# Altium PCB PCB SOM AM625.PcbDoc (part 4 of 6)
Units mm, origin at the board's own origin, x right, y up, seen from the top; angles counter-clockwise.
Board outline 92 x 91 mm, 6 copper layers (Top Layer, Layer 1, Layer 3, Layer 4, Layer 2, Bottom Layer), stack 1.56 mm thick; 479 components, 370 nets, 1722 pads, 744 vias.
Unrouted connection lines stored in the file: 13.
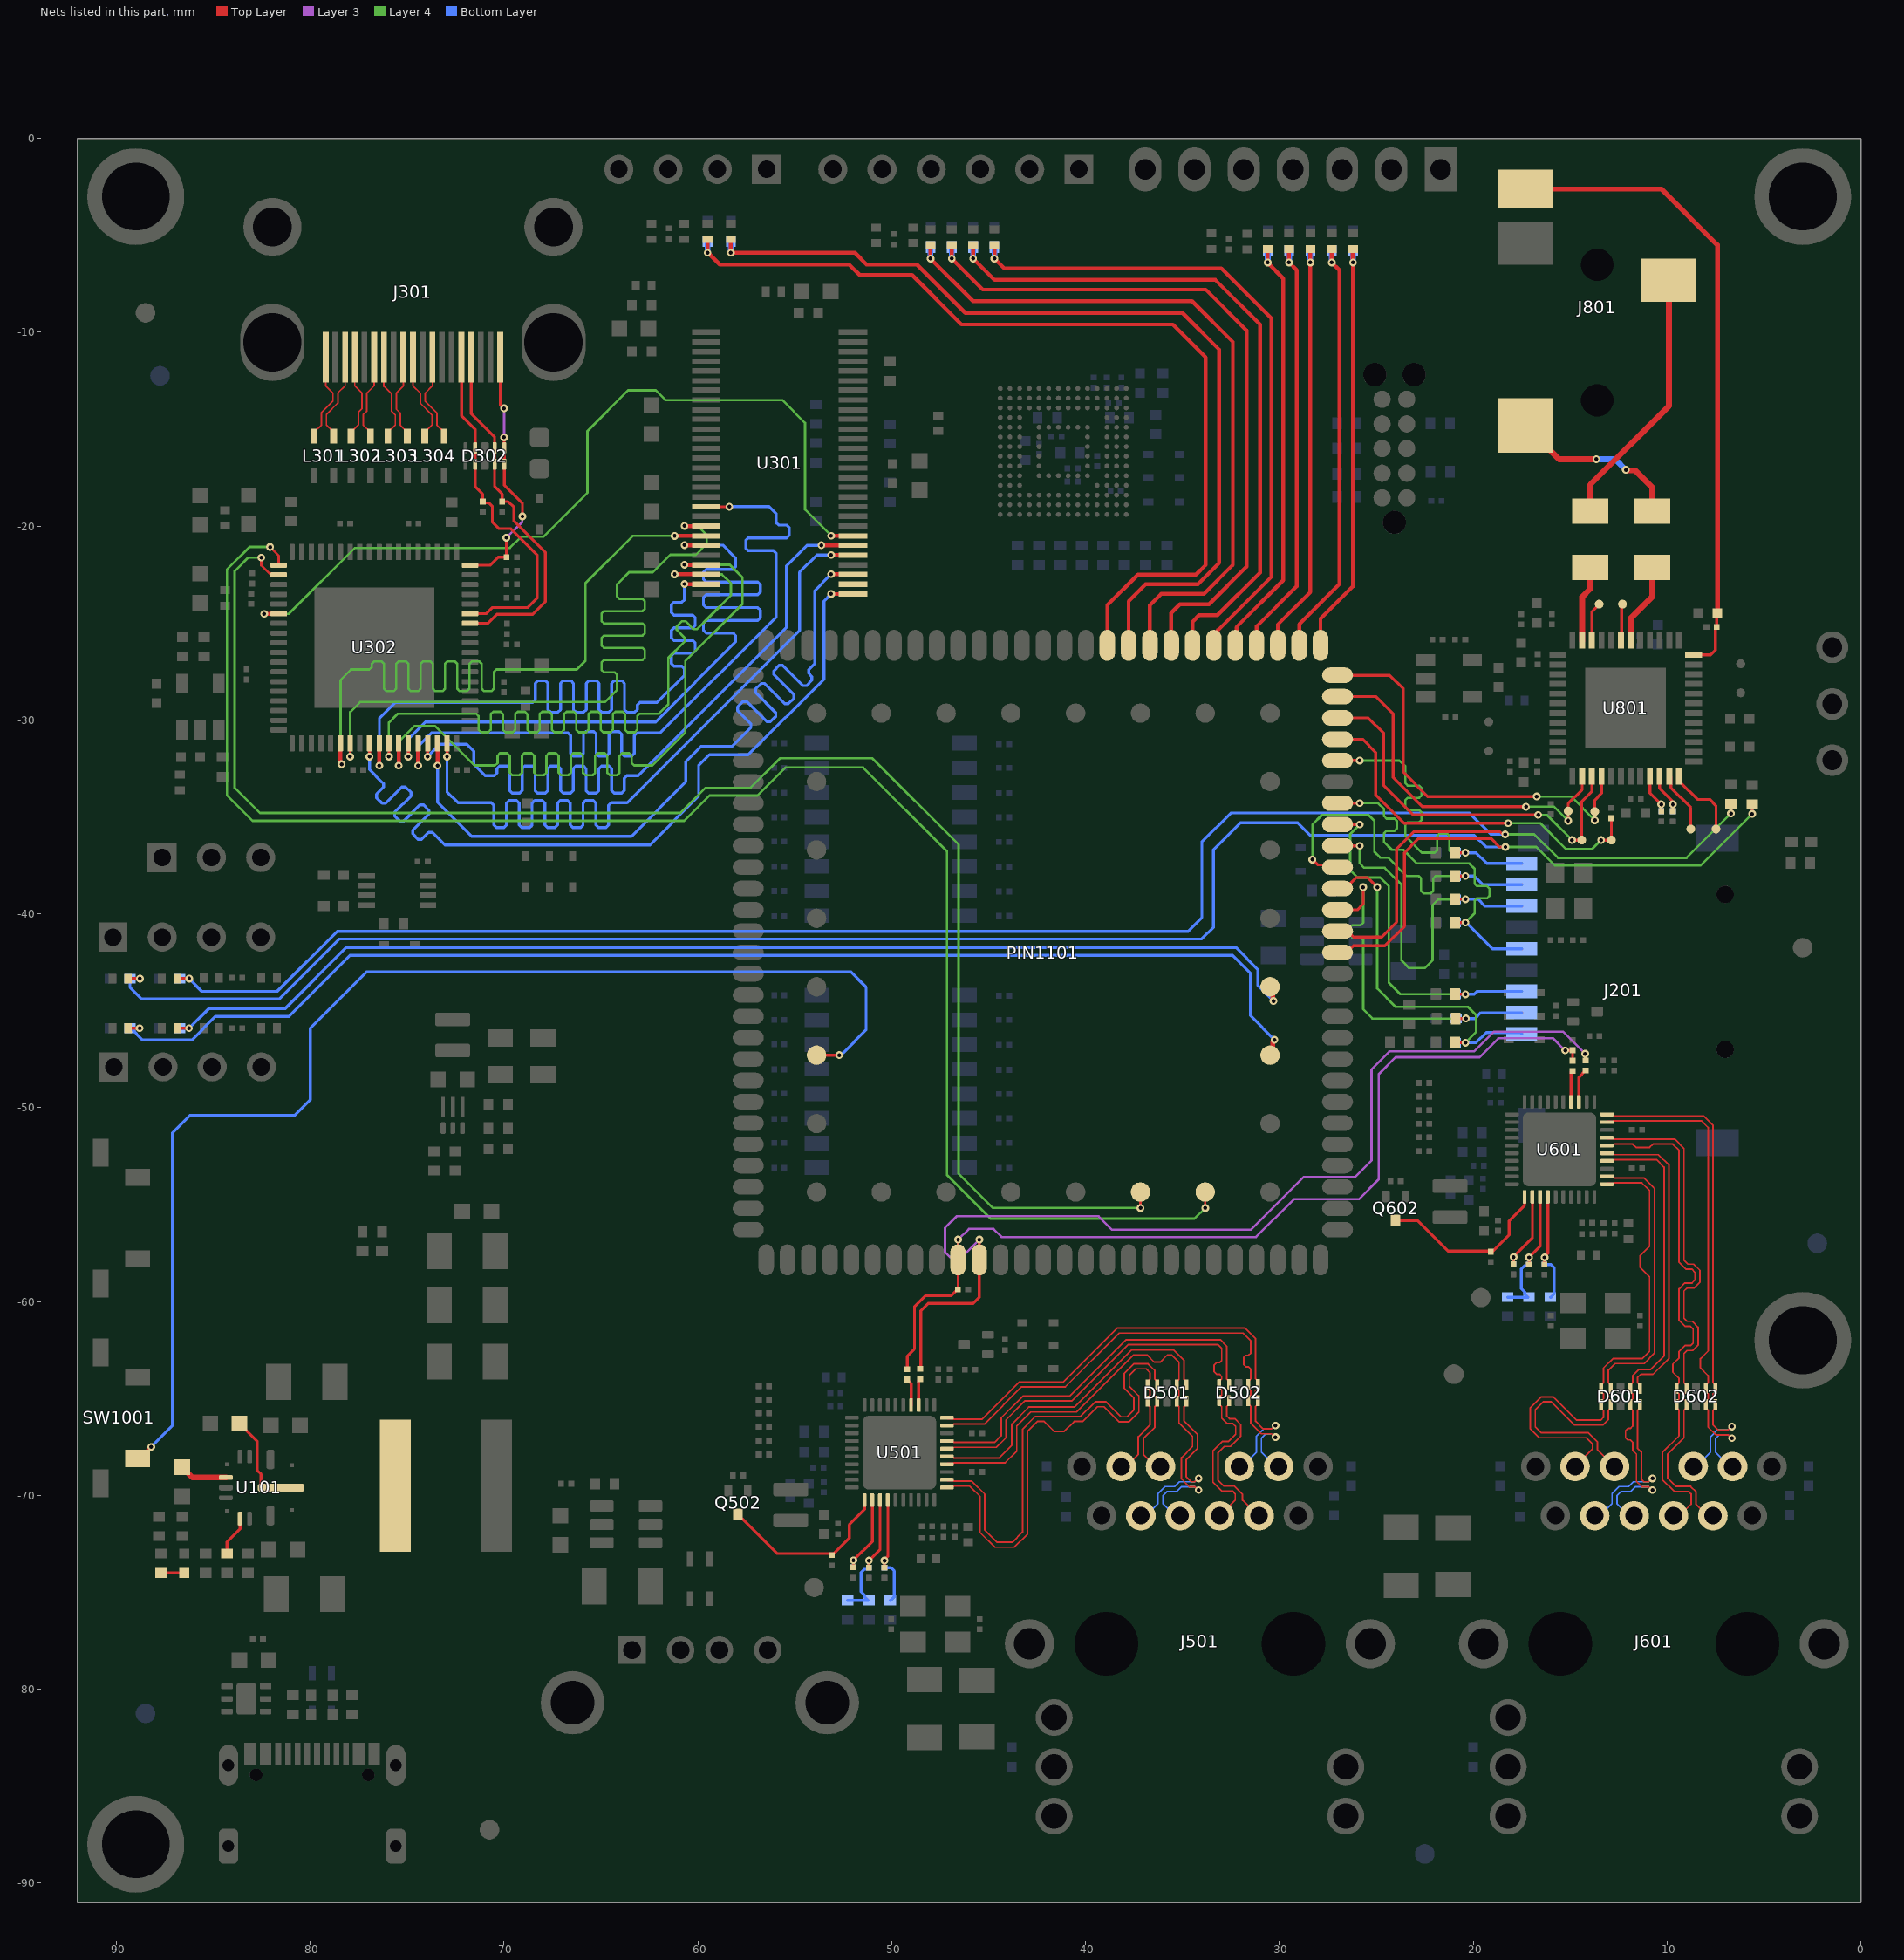
[diagram p8: the nets of this part, all layers, seen from the top]

## Via types
v1: diameter 0.4, hole 0.2, Top Layer to Bottom Layer, tented both sides, 699 vias
v2: diameter 0.8, hole 0.4, Top Layer to Bottom Layer, tented both sides, 41 vias
v3: diameter 0.6, hole 0.3, Top Layer to Bottom Layer, tented both sides, 4 vias

## Nets (pads, with @x,y where several pads share a name; then routed paths per layer and width w, separated by ;. In a path a pad name is that pad's centre, name@x,y a point inside that pad or via, vN(x,y) a via of type N, cw(c..) or ccw(c..) an arc to the next point about the centre after c; other vN are vias at no path point) (continued)
HDMI_D15: U301.47 U302.32 | length 43
  Top Layer w0.15: U301.47@-59.569,-19.007 -59.566,-19.003 -58.378,-19.003 v1(-58.375,-19)
  Top Layer w0.2: U302.32@-74.439,-31.204 -74.437,-31.207 -74.437,-32.352 v1(-74.434,-32.355)
  Bottom Layer w0.15: v1(-74.434,-32.355) -74.434,-31.359 -73.75,-30.675 -67.428,-30.675 -66.695,-30.675 -66.563,-30.807 -66.563,-31.737 -66.431,-31.868 -66.037,-31.868 -65.905,-31.737 -65.905,-30.738 -65.773,-30.606 -65.379,-30.606 -65.247,-30.738 -65.247,-31.737 -65.115,-31.868 -64.721,-31.868 -64.589,-31.737 -64.589,-30.738 -64.457,-30.606 -64.063,-30.606 -63.931,-30.738 -63.931,-31.737 -63.799,-31.868 -63.405,-31.868 -63.273,-31.737 -63.273,-30.807 -63.141,-30.675 -62.3,-30.675 -61.95,-30.675 -55.975,-24.7 -55.975,-21.471 -55.975,-21.396 -56.107,-21.264 -57.402,-21.264 -57.534,-21.132 -57.534,-20.738 -57.402,-20.606 -55.419,-20.606 -55.287,-20.474 -55.287,-20.08 -55.419,-19.948 -55.843,-19.948 -55.975,-19.816 -55.975,-19.65 -55.975,-19.35 -56.325,-19 v1(-58.375,-19)
HDMI_D16: U301.49 U302.25 | length 43.5
  Top Layer w0.15: v1(-77.944,-31.889) -77.939,-31.884 U302.25@-77.939,-31.204
  Top Layer w0.2: v1(-60.693,-19.99) -60.685,-19.997 U301.49@-59.569,-19.997
  Layer 4 w0.122: v1(-77.944,-31.889) -77.944,-29.594 -77.425,-29.075 -64.8,-29.075 -64.175,-28.45 -64.175,-27.726 -64.175,-27.665 -64.301,-27.539 -64.844,-27.539 -64.97,-27.413 -64.97,-27.035 -64.844,-26.909 -62.863,-26.909 -62.738,-26.783 -62.738,-26.405 -62.863,-26.279 -64.844,-26.279 -64.97,-26.153 -64.97,-25.776 -64.844,-25.65 -62.863,-25.65 -62.738,-25.524 -62.738,-25.146 -62.863,-25.02 -64.844,-25.02 -64.97,-24.894 -64.97,-24.516 -64.844,-24.39 -62.863,-24.39 -62.738,-24.264 -62.738,-23.886 -62.863,-23.76 -64.049,-23.76 -64.175,-23.634 -64.175,-23.425 -64.175,-23 -63.55,-22.375 -62.325,-22.375 -61.425,-21.475 -60.1,-21.475 -59.55,-20.925 -59.55,-20.45 -60.01,-19.99 v1(-60.693,-19.99)
HDMI_D17: U301.50 U302.24 | length 43.5
  Top Layer w0.2: U302.24@-78.439,-31.204 -78.439,-32.17 -78.384,-32.225 v1(-78.384,-32.279) ; v1(-61.199,-20.506) -61.198,-20.505 U301.50@-59.569,-20.505 U301.50@-59.568,-20.504
  Layer 4 w0.122: v1(-78.384,-32.279) -78.434,-32.23 -78.434,-27.934 -77.9,-27.4 -77.011,-27.4 -76.95,-27.4 -76.824,-27.274 -76.824,-27.105 -76.698,-26.979 -76.32,-26.979 -76.194,-27.105 -76.194,-28.386 -76.068,-28.512 -75.69,-28.512 -75.564,-28.386 -75.564,-27.105 -75.438,-26.979 -75.06,-26.979 -74.934,-27.105 -74.934,-28.386 -74.808,-28.512 -74.43,-28.512 -74.304,-28.386 -74.304,-27.105 -74.178,-26.979 -73.8,-26.979 -73.674,-27.105 -73.674,-28.386 -73.548,-28.512 -73.17,-28.512 -73.044,-28.386 -73.044,-27.105 -72.918,-26.979 -72.54,-26.979 -72.414,-27.105 -72.414,-28.386 -72.288,-28.512 -71.91,-28.512 -71.784,-28.386 -71.784,-27.105 -71.658,-26.979 -71.28,-26.979 -71.154,-27.105 -71.154,-28.386 -71.028,-28.512 -70.65,-28.512 -70.525,-28.386 -70.525,-27.526 -70.399,-27.4 -70.07,-27.4 -66.25,-27.4 -65.8,-26.95 -65.8,-22.95 -63.356,-20.506 v1(-61.199,-20.506)
HDMI_D18: U301.51 U302.31 | length 43.1
  Top Layer w0.15: v1(-74.944,-31.889) -74.939,-31.884 U302.31@-74.939,-31.204 U302.31@-74.934,-31.199
  Top Layer w0.2: v1(-60.693,-20.98) -60.685,-20.988 U301.51@-59.569,-20.988 U301.51@-59.562,-20.995
  Bottom Layer w0.15: v1(-74.944,-31.889) -74.944,-30.994 -74.05,-30.1 -62.175,-30.1 -58.05,-25.975 -58.05,-25.725 -58.05,-25.65 -58.182,-25.518 -59.579,-25.518 -59.711,-25.387 -59.711,-24.992 -59.579,-24.86 -56.914,-24.86 -56.783,-24.729 -56.783,-24.334 -56.914,-24.202 -59.579,-24.202 -59.711,-24.071 -59.711,-23.676 -59.579,-23.544 -56.914,-23.544 -56.783,-23.413 -56.783,-23.018 -56.914,-22.886 -59.579,-22.886 -59.711,-22.755 -59.711,-22.36 -59.579,-22.228 -58.182,-22.228 -58.05,-22.097 -58.05,-21.95 -58.05,-21.65 -58.719,-20.98 v1(-60.693,-20.98)
HDMI_D19: U301.53 U302.30 | length 43.5
  Top Layer w0.2: U302.30@-75.439,-31.204 -75.437,-31.207 -75.437,-32.352 v1(-75.434,-32.355) ; v1(-60.693,-21.996) -60.685,-22.004 U301.53@-59.569,-22.004 U301.53@-59.562,-22.011
  Layer 4 w0.122: v1(-75.434,-32.355) -75.434,-31.134 -74.625,-30.325 -73.55,-30.325 -71.525,-32.35 -70.525,-32.35 -70.464,-32.35 -70.338,-32.224 -70.338,-31.843 -70.212,-31.717 -69.834,-31.717 -69.708,-31.843 -69.708,-32.724 -69.582,-32.85 -69.204,-32.85 -69.078,-32.724 -69.078,-31.843 -68.952,-31.717 -68.574,-31.717 -68.448,-31.843 -68.448,-32.724 -68.322,-32.85 -67.944,-32.85 -67.818,-32.724 -67.818,-31.843 -67.692,-31.717 -67.314,-31.717 -67.188,-31.843 -67.188,-32.724 -67.062,-32.85 -66.685,-32.85 -66.559,-32.724 -66.559,-31.843 -66.433,-31.717 -66.055,-31.717 -65.929,-31.843 -65.929,-32.724 -65.803,-32.85 -65.425,-32.85 -65.299,-32.724 -65.299,-31.843 -65.173,-31.717 -64.795,-31.717 -64.669,-31.843 -64.669,-32.724 -64.543,-32.85 -64.165,-32.85 -64.039,-32.724 -64.039,-31.843 -63.913,-31.717 -63.535,-31.717 -63.409,-31.843 -63.409,-32.224 -63.283,-32.35 -62.925,-32.35 -62.35,-32.35 -60.65,-30.65 -60.65,-26.975 -57.7,-24.025 -57.7,-22.65 -58.354,-21.996 v1(-60.693,-21.996)
HDMI_D20: U301.54 U302.29 | length 43.5
  Top Layer w0.15: v1(-75.944,-31.889) -75.939,-31.884 U302.29@-75.939,-31.204
  Top Layer w0.2: v1(-61.199,-22.488) -61.198,-22.486 U301.54@-59.569,-22.486
  Layer 4 w0.122: v1(-75.944,-31.889) -75.944,-30.144 -75.475,-29.675 -72.135,-29.675 -71.444,-29.675 -71.318,-29.801 -71.318,-30.507 -71.192,-30.633 -70.814,-30.633 -70.688,-30.507 -70.688,-29.702 -70.562,-29.576 -70.184,-29.576 -70.058,-29.702 -70.058,-30.507 -69.932,-30.633 -69.554,-30.633 -69.428,-30.507 -69.428,-29.702 -69.302,-29.576 -68.924,-29.576 -68.798,-29.702 -68.798,-30.507 -68.672,-30.633 -68.295,-30.633 -68.169,-30.507 -68.169,-29.702 -68.043,-29.576 -67.665,-29.576 -67.539,-29.702 -67.539,-30.507 -67.413,-30.633 -67.035,-30.633 -66.909,-30.507 -66.909,-29.702 -66.783,-29.576 -66.405,-29.576 -66.279,-29.702 -66.279,-30.507 -66.153,-30.633 -65.775,-30.633 -65.649,-30.507 -65.649,-29.702 -65.523,-29.576 -65.145,-29.576 -65.019,-29.702 -65.019,-30.507 -64.893,-30.633 -64.515,-30.633 -64.389,-30.507 -64.389,-29.702 -64.263,-29.576 -63.885,-29.576 -63.759,-29.702 -63.759,-30.507 -63.633,-30.633 -63.255,-30.633 -63.129,-30.507 -63.129,-29.801 -63.003,-29.675 -62.111,-29.675 -62,-29.675 -61.525,-29.2 -61.525,-26.8 -60.712,-25.987 -60.669,-25.944 -60.669,-25.766 -61.082,-25.353 -61.082,-25.175 -60.815,-24.908 -60.637,-24.908 -60.224,-25.321 -60.046,-25.321 -59.387,-24.662 -58.3,-23.575 -58.3,-22.95 -58.762,-22.488 v1(-61.199,-22.488)
HDMI_D21: U301.55 U302.28 | length 43
  Top Layer w0.2: U302.28@-76.439,-31.204 -76.437,-31.207 -76.437,-32.352 v1(-76.434,-32.355) ; v1(-60.693,-22.987) -60.685,-22.994 U301.55@-59.569,-22.994 U301.55@-59.562,-23.002
  Bottom Layer w0.15: v1(-76.434,-32.355) -76.434,-29.925 -75.609,-29.1 -68.6,-29.1 -68.525,-29.1 -68.393,-28.968 -68.393,-28.112 -68.262,-27.981 -67.867,-27.981 -67.735,-28.112 -67.735,-29.468 -67.604,-29.6 -67.209,-29.6 -67.077,-29.468 -67.077,-28.112 -66.946,-27.981 -66.551,-27.981 -66.419,-28.112 -66.419,-29.468 -66.288,-29.6 -65.893,-29.6 -65.761,-29.468 -65.761,-28.112 -65.63,-27.981 -65.235,-27.981 -65.103,-28.112 -65.103,-29.468 -64.972,-29.6 -64.577,-29.6 -64.445,-29.468 -64.445,-28.112 -64.314,-27.981 -63.919,-27.981 -63.787,-28.112 -63.787,-29.468 -63.656,-29.6 -63.261,-29.6 -63.129,-29.468 -63.129,-29.232 -62.998,-29.1 -62.438,-29.1 -62.1,-29.1 -60.693,-27.693 -60.693,-27.427 -60.693,-27.352 -60.824,-27.221 -61.243,-27.221 -61.375,-27.089 -61.375,-26.694 -61.243,-26.563 -60.272,-26.563 -60.141,-26.431 -60.141,-26.036 -60.272,-25.905 -61.243,-25.905 -61.375,-25.773 -61.375,-25.378 -61.243,-25.247 -60.272,-25.247 -60.141,-25.115 -60.141,-24.72 -60.272,-24.589 -61.243,-24.589 -61.375,-24.457 -61.375,-24.062 -61.243,-23.931 -60.824,-23.931 -60.693,-23.799 -60.693,-23.7 v1(-60.693,-22.987)
HDMI_D22: U301.1 U302.27 | length 43
  Top Layer w0.15: v1(-76.944,-31.889) -76.939,-31.884 U302.27@-76.939,-31.204 U302.27@-76.934,-31.199
  Top Layer w0.2: v1(-53.123,-23.495) -53.116,-23.502 U301.1@-52,-23.502 U301.1@-51.993,-23.51
  Bottom Layer w0.15: v1(-76.944,-31.889) -76.944,-32.556 -76.32,-33.18 -76.216,-33.284 -76.216,-33.47 -76.575,-33.83 -76.575,-34.016 -76.296,-34.295 -76.11,-34.295 -75.271,-33.456 -75.085,-33.456 -74.805,-33.735 -74.805,-33.921 -75.644,-34.76 -75.644,-34.946 -75.365,-35.225 -75.179,-35.225 -74.34,-34.386 -74.154,-34.386 -73.875,-34.666 -73.875,-34.852 -74.714,-35.691 -74.714,-35.877 -74.435,-36.156 -74.249,-36.156 -73.889,-35.797 -73.703,-35.797 -73.65,-35.85 -73.05,-36.45 -62.475,-36.45 -59.963,-33.938 -59.963,-32.363 -59.4,-31.8 -57.4,-31.8 -53.5,-27.9 -53.5,-23.872 v1(-53.123,-23.495)
HDMI_D23: U301.2
HDMI_D24: U301.3 U302.34 | length 43
  Top Layer w0.2: U302.34@-73.439,-31.204 -73.437,-31.207 -73.437,-32.352 v1(-73.434,-32.355) ; v1(-53.123,-22.479) -53.116,-22.486 U301.3@-52,-22.486 U301.3@-51.993,-22.494
  Bottom Layer w0.15: v1(-73.434,-32.355) -73.434,-34.241 -71.675,-36 -63.425,-36 -60.625,-33.2 -60.625,-32.15 -59.837,-31.363 -58.238,-31.363 -57.625,-30.75 -57.263,-30.388 -57.263,-30.202 -57.951,-29.515 -57.951,-29.329 -57.672,-29.05 -57.486,-29.05 -56.445,-30.091 -56.258,-30.091 -55.979,-29.811 -55.979,-29.625 -57.02,-28.584 -57.02,-28.398 -56.741,-28.119 -56.555,-28.119 -55.514,-29.16 -55.328,-29.16 -55.049,-28.881 -55.049,-28.695 -56.09,-27.654 -56.09,-27.468 -55.811,-27.188 -55.625,-27.188 -54.583,-28.229 -54.397,-28.229 -54.118,-27.95 -54.118,-27.764 -54.286,-27.597 -54.286,-27.411 -54.233,-27.358 -53.975,-27.1 -53.975,-23.331 v1(-53.123,-22.479)
HDMI_D25: U301.5 U302.35 | length 43
  Top Layer w0.15: v1(-72.944,-31.889) -72.939,-31.884 U302.35@-72.939,-31.204 U302.35@-72.934,-31.199
  Top Layer w0.2: v1(-53.123,-21.488) -53.116,-21.496 U301.5@-52,-21.496 U301.5@-51.993,-21.503
  Bottom Layer w0.15: v1(-72.944,-31.889) -72.944,-33.706 -72.375,-34.275 -71.304,-34.275 -70.66,-34.275 -70.529,-34.407 -70.529,-35.424 -70.397,-35.556 -70.002,-35.556 -69.871,-35.424 -69.871,-34.284 -69.739,-34.153 -69.344,-34.153 -69.213,-34.284 -69.213,-35.424 -69.081,-35.556 -68.686,-35.556 -68.555,-35.424 -68.555,-34.284 -68.423,-34.153 -68.028,-34.153 -67.897,-34.284 -67.897,-35.424 -67.765,-35.556 -67.37,-35.556 -67.239,-35.424 -67.239,-34.284 -67.107,-34.153 -66.712,-34.153 -66.581,-34.284 -66.581,-35.424 -66.449,-35.556 -66.054,-35.556 -65.923,-35.424 -65.923,-34.284 -65.791,-34.153 -65.396,-34.153 -65.265,-34.284 -65.265,-35.424 -65.133,-35.556 -64.738,-35.556 -64.607,-35.424 -64.607,-34.407 -64.475,-34.275 -64.4,-34.275 -63.65,-34.275 -54.75,-25.375 -54.75,-22.375 -53.863,-21.488 v1(-53.123,-21.488)
HDMI_D26: U301.6 U302.33 | length 43
  Top Layer w0.15: v1(-73.944,-31.889) -73.939,-31.884 U302.33@-73.939,-31.204
  Top Layer w0.2: v1(-53.63,-20.989) -53.628,-20.988 U301.6@-52,-20.988 U301.6@-51.999,-20.987
  Bottom Layer w0.15: v1(-73.944,-31.889) -73.305,-31.25 -71.925,-31.25 -71.563,-31.612 -71.563,-32.287 -70.975,-32.875 -70.581,-32.875 -70.506,-32.875 -70.374,-32.743 -70.374,-32.512 -70.243,-32.381 -69.848,-32.381 -69.716,-32.512 -69.716,-33.64 -69.585,-33.771 -69.19,-33.771 -69.058,-33.64 -69.058,-32.512 -68.927,-32.381 -68.532,-32.381 -68.4,-32.512 -68.4,-33.64 -68.269,-33.771 -67.874,-33.771 -67.742,-33.64 -67.742,-32.512 -67.611,-32.381 -67.216,-32.381 -67.084,-32.512 -67.084,-33.64 -66.953,-33.771 -66.558,-33.771 -66.426,-33.64 -66.426,-32.512 -66.295,-32.381 -65.9,-32.381 -65.768,-32.512 -65.768,-33.64 -65.637,-33.771 -65.242,-33.771 -65.11,-33.64 -65.11,-32.512 -64.979,-32.381 -64.584,-32.381 -64.452,-32.512 -64.452,-33.64 -64.321,-33.771 -63.926,-33.771 -63.794,-33.64 -63.794,-33.007 -63.663,-32.875 -63.563,-32.875 -63.075,-32.875 -55.425,-25.225 -55.425,-22.05 -54.364,-20.989 v1(-53.63,-20.989)
HDMI_D27: U301.7 U302.6 | length 43.5
  Top Layer w0.2: v1(-82.375,-24.525) -82.372,-24.522 -81.627,-24.522 U302.6@-81.624,-24.519 ; v1(-53.123,-20.498) -53.116,-20.505 U301.7@-52,-20.505 U301.7@-51.993,-20.512
  Layer 4 w0.122: v1(-82.375,-24.525) -81.1,-24.525 -77.7,-21.125 -69.7,-21.125 -69.125,-20.55 -67.975,-20.55 -65.7,-18.275 -65.7,-15.1 -63.6,-13 -62.175,-13 -61.675,-13.5 -55.65,-13.5 -54.475,-14.675 -54.475,-19.146 v1(-53.123,-20.498)
HDMI_DSCL: D302.2 D302.9 J301.15 R308.1 U302.49 | length 18.3
  Top Layer w0.15: J301.15@-72.2,-11.285 -72.19,-11.295 -72.19,-14.31 -71.489,-15.011 D302.9@-71.489,-15.967 D302.2@-71.489,-16.802 -71.489,-17.961 -71.1,-18.35 R308.1@-71.1,-18.735 -71.035,-18.8 -70.8,-18.8 -70.6,-19 -70.6,-19.8 -70.275,-20.125 -69.66,-20.125 -68.293,-21.493 -68.293,-23.718 -68.775,-24.2 -70.6,-24.2 -70.919,-24.519 U302.49@-71.754,-24.519
HDMI_DSDA: D302.4 D302.7 J301.16 R307.1 U302.48 | length 18.7
  Top Layer w0.15: U302.48@-71.754,-25.019 -70.844,-25.019 -70.375,-24.55 -68.525,-24.55 -67.875,-23.9 -67.875,-21.359 -69.5,-19.734 -69.5,-19.025 -69.79,-18.735 R307.1@-70.1,-18.735 -70.1,-18.35 -70.49,-17.961 D302.4@-70.49,-16.802 D302.7@-70.49,-15.967 -70.49,-15.411 -71.69,-14.21 -71.69,-11.295 J301.16@-71.7,-11.285
HDMI_HPD: D302.5 D302.6 J301.19 R310.2 U302.54 | length 13.2
  Top Layer w0.15: U302.54@-71.754,-22.019 -70.719,-22.019 -70.3,-21.6 R310.2@-69.865,-21.6 -69.87,-21.595 -69.87,-20.605 v1(-69.875,-20.6) ; J301.19@-70.2,-11.285 -70.2,-13.725 v1(-70,-13.925) ; v1(-70,-15.425) -69.995,-15.43 -69.995,-15.962 D302.6@-69.989,-15.967 D302.5@-69.989,-16.802 -69.989,-17.885 -69.05,-18.825 v1(-69.05,-19.5)
  Layer 3 w0.122: v1(-70,-15.425) v1(-70,-13.925) ; v1(-69.875,-20.6) -69.061,-19.786 -69.061,-19.511 v1(-69.05,-19.5)
HDMI_TX0_N: J301.9 L303.3 | length 4.5
  Top Layer w0.084: J301.9@-75.2,-11.285 -75.2,-12.781 -75.56,-13.141 -75.56,-13.963 -75.356,-14.167 -75.356,-14.792 -75.127,-15.021 -75.122,-15.021 -74.989,-15.154 L303.3@-74.989,-15.357
HDMI_TX0_P: J301.7 L303.2 | length 4.5
  Top Layer w0.084: J301.7@-76.2,-11.285 -76.2,-12.787 -75.814,-13.172 -75.814,-14.069 -75.61,-14.273 -75.61,-14.775 -75.989,-15.154 L303.2@-75.989,-15.357
HDMI_TX1_N: J301.6 L302.3 | length 4.5
  Top Layer w0.084: L302.3@-76.89,-15.357 -76.89,-15.154 -77.264,-14.779 -77.264,-14.244 -77.082,-14.061 -77.082,-13.132 -76.7,-12.751 J301.6@-76.7,-11.285
HDMI_TX1_P: J301.4 L302.2 | length 4.5
  Top Layer w0.084: L302.2@-77.889,-15.357 -77.889,-15.154 -77.518,-14.783 -77.518,-14.138 -77.336,-13.955 -77.336,-13.122 -77.7,-12.757 J301.4@-77.7,-11.285
HDMI_TX2_N: J301.3 L301.3 | length 4.6
  Top Layer w0.084: L301.3@-78.789,-15.357 -78.789,-15.154 -79.164,-14.78 -79.164,-14.242 -78.571,-13.649 -78.571,-13.132 -78.2,-12.761 J301.3@-78.2,-11.285
HDMI_TX2_P: J301.1 L301.2 | length 4.6
  Top Layer w0.084: L301.2@-79.789,-15.357 -79.789,-15.154 -79.418,-14.783 -79.418,-14.136 -78.825,-13.543 -78.825,-13.134 -79.2,-12.759 J301.1@-79.2,-11.285
HDMI_TXC_N: J301.12 L304.3 | length 4.6
  Top Layer w0.084: J301.12@-73.7,-11.285 -73.7,-12.77 -74.061,-13.131 -74.061,-13.562 -73.464,-14.159 -73.464,-14.779 -73.09,-15.154 L304.3@-73.09,-15.357
HDMI_TXC_P: J301.10 L304.2 | length 4.6
  Top Layer w0.084: J301.10@-74.7,-11.285 -74.7,-12.763 -74.315,-13.148 -74.315,-13.667 -73.718,-14.264 -73.718,-14.783 -74.089,-15.154 L304.2@-74.089,-15.357
HPLCOM: TP806.1 U801.19 | length 1.9
  Top Layer w0.15: U801.19@-12.381,-25.893 -12.341,-25.853 -12.341,-24.066 TP806.1@-12.3,-24.025
HPLOUT: C815.2 J801.2 | length 9.1
  Top Layer w0.3: J801.2@-17.3,-14.815 -15.565,-16.55 v1(-13.65,-16.55) ; v1(-12.125,-17.1) -12.106,-17.119 -11.656,-17.119 -10.763,-18.012 C815.2@-10.763,-19.237
  Bottom Layer w0.3: v1(-13.65,-16.55) -12.675,-16.55 v1(-12.125,-17.1)
HPLOUT_C: C815.1 U801.18 | length 4.2
  Top Layer w0.3: U801.18@-11.881,-25.893 -11.881,-24.756 -10.763,-23.638 C815.1@-10.763,-22.137
HPRCOM: TP808.1 U801.22 | length 2
  Top Layer w0.15: U801.22@-13.881,-25.893 -13.881,-24.406 TP808.1@-13.5,-24.025
HPROUT: C816.2 J801.3 | length 13.6
  Top Layer w0.3: C816.2@-13.963,-19.237 -13.963,-17.863 -9.9,-13.8 J801.3@-9.9,-7.315
HPROUT_C: C816.1 U801.23 | length 3.9
  Top Layer w0.3: U801.23@-14.381,-25.893 -14.381,-23.656 -13.963,-23.238 C816.1@-13.963,-22.137
I2C1_SCL: D901.2 FB901.2 PIN1101.95 R805.1 | length 107.7
  Top Layer w0.15: FB901.2@-89.4,-43.34 v1(-88.79,-43.34) ; PIN1101.95@-27,-41.994 -26.531,-41.994 -26.187,-41.65 -24.55,-41.65 -23.55,-40.65 -23.55,-36.85 -22.825,-36.125 -19.075,-36.125 -18.644,-36.556 -18.326,-36.556 v1@-18.308,-36.575 ; v1(-5.607,-34.85) R805.1@-5.607,-34.35
  Layer 4 w0.122: v1(-18.338,-36.552) -16.748,-36.552 -15.8,-37.5 -8.257,-37.5 v1(-5.607,-34.85)
  Bottom Layer w0.15: v1(-88.79,-43.34) D901.2@-89.3,-43.34 -89.3,-43.8 -88.7,-44.4 -81.6,-44.4 -78.5,-41.3 -34,-41.3 -33.4,-40.7 -33.4,-36.7 -32,-35.3 -29.05,-35.3 -28.4,-35.95 -19.95,-35.95 -19.348,-36.552 v1(-18.338,-36.552)
I2C1_SDA: D902.2 FB902.2 PIN1101.94 R806.1 | length 102.8
  Top Layer w0.15: FB902.2@-86.85,-43.34 v1(-86.24,-43.34) ; PIN1101.94@-27,-40.894 -26.493,-40.894 -26.187,-41.2 -24.725,-41.2 -23.95,-40.425 -23.95,-36.65 -23.05,-35.75 -18.638,-35.75 -18.536,-35.852 -18.398,-35.852 v1(-18.35,-35.9) ; v1(-6.7,-34.825) R806.1@-6.7,-34.325
  Layer 4 w0.122: v1(-18.35,-35.9) -16.85,-35.9 -15.625,-37.125 -9,-37.125 v1(-6.7,-34.825)
  Bottom Layer w0.15: D902.2@-86.75,-43.34 v1(-86.24,-43.34) ; v1@-86.26,-43.34 -85.6,-44 -81.7,-44 -78.6,-40.9 -34.7,-40.9 -34,-40.2 -34,-36.3 -32.5,-34.8 -20.2,-34.8 -19.1,-35.9 v1(-18.35,-35.9)
I2C2_SCL: PIN1101.131 U302.1 | length 88.1
  Top Layer w0.122: v1(-82.075,-21.075) -81.624,-21.526 U302.1@-81.624,-22.019 ; v1(-33.827,-55.173) PIN1101.131@-33.827,-54.35
  Layer 4 w0.122: v1(-82.075,-21.075) -83.125,-21.075 -84.3,-22.25 -84.3,-33.875 -82.975,-35.2 -60.7,-35.2 -59.4,-33.9 -56.925,-33.9 -55.475,-32.45 -51.475,-32.45 -47.15,-36.775 -47.15,-53.475 -44.9,-55.725 -34.379,-55.725 v1(-33.827,-55.173)
I2C2_SDA: PIN1101.132 U302.2 | length 83.2
  Top Layer w0.122: v1(-82.525,-21.625) -82.525,-22.025 -82.105,-22.445 -81.699,-22.445 U302.2@-81.624,-22.519 ; v1(-37.169,-55.173) PIN1101.132@-37.169,-54.35
  Layer 4 w0.122: v1(-82.525,-21.625) -83.2,-21.625 -83.9,-22.325 -83.9,-33.5 -82.6,-34.8 -60.9,-34.8 -59.6,-33.5 -57.275,-33.5 -55.75,-31.975 -51,-31.975 -46.55,-36.425 -46.55,-53.4 -44.777,-55.173 v1(-37.169,-55.173)
INTB_1: Q502.3 R521.1 U501.31 | length 9.2
  Top Layer w0.15: Q502.3@-57.93,-70.99 -57.93,-71.04 -57.755,-71.215 -57.705,-71.215 -55.92,-73 -52.975,-73 -52.188,-72.212 -52.188,-71.512 -51.4,-70.725 U501.31@-51.4,-70.25
INTB_2: Q602.3 R621.1 U601.31 | length 9.2
  Top Layer w0.15: Q602.3@-24,-55.82 -22.88,-55.82 -21.3,-57.4 -20.2,-57.4 -18.975,-57.4 -18.15,-56.575 -18.15,-55.85 -17.35,-55.05 U601.31@-17.35,-54.6
LED0/CFG_EXT_1: R526.2 R527.1 U501.32 | length 4.2
  Top Layer w0.15: R527.1@-51.975,-73.72 v1(-51.975,-73.35) -51,-72.375 U501.32@-51,-70.25
  Bottom Layer w0.15: R526.2@-51.975,-73.72 v1(-51.975,-73.35)
LED0/CFG_EXT_2: R626.2 R627.1 U601.32 | length 4.2
  Top Layer w0.15: R627.1@-17.92,-58.075 -17.92,-57.695 -16.945,-56.72 U601.32@-16.945,-54.605
  Bottom Layer w0.15: R626.2@-17.92,-58.075 v1(-17.92,-57.705)
LED1/CFG_LDO0_1: R506.1 R507.1 R528.2 R529.1 U501.33 | length 7.2
  Top Layer w0.15: R529.1@-51.175,-73.738 v1(-51.175,-73.368) -50.6,-72.793 U501.33@-50.6,-70.25